# Altium PCB 5607.PcbDoc (part 4 of 6) (continued)
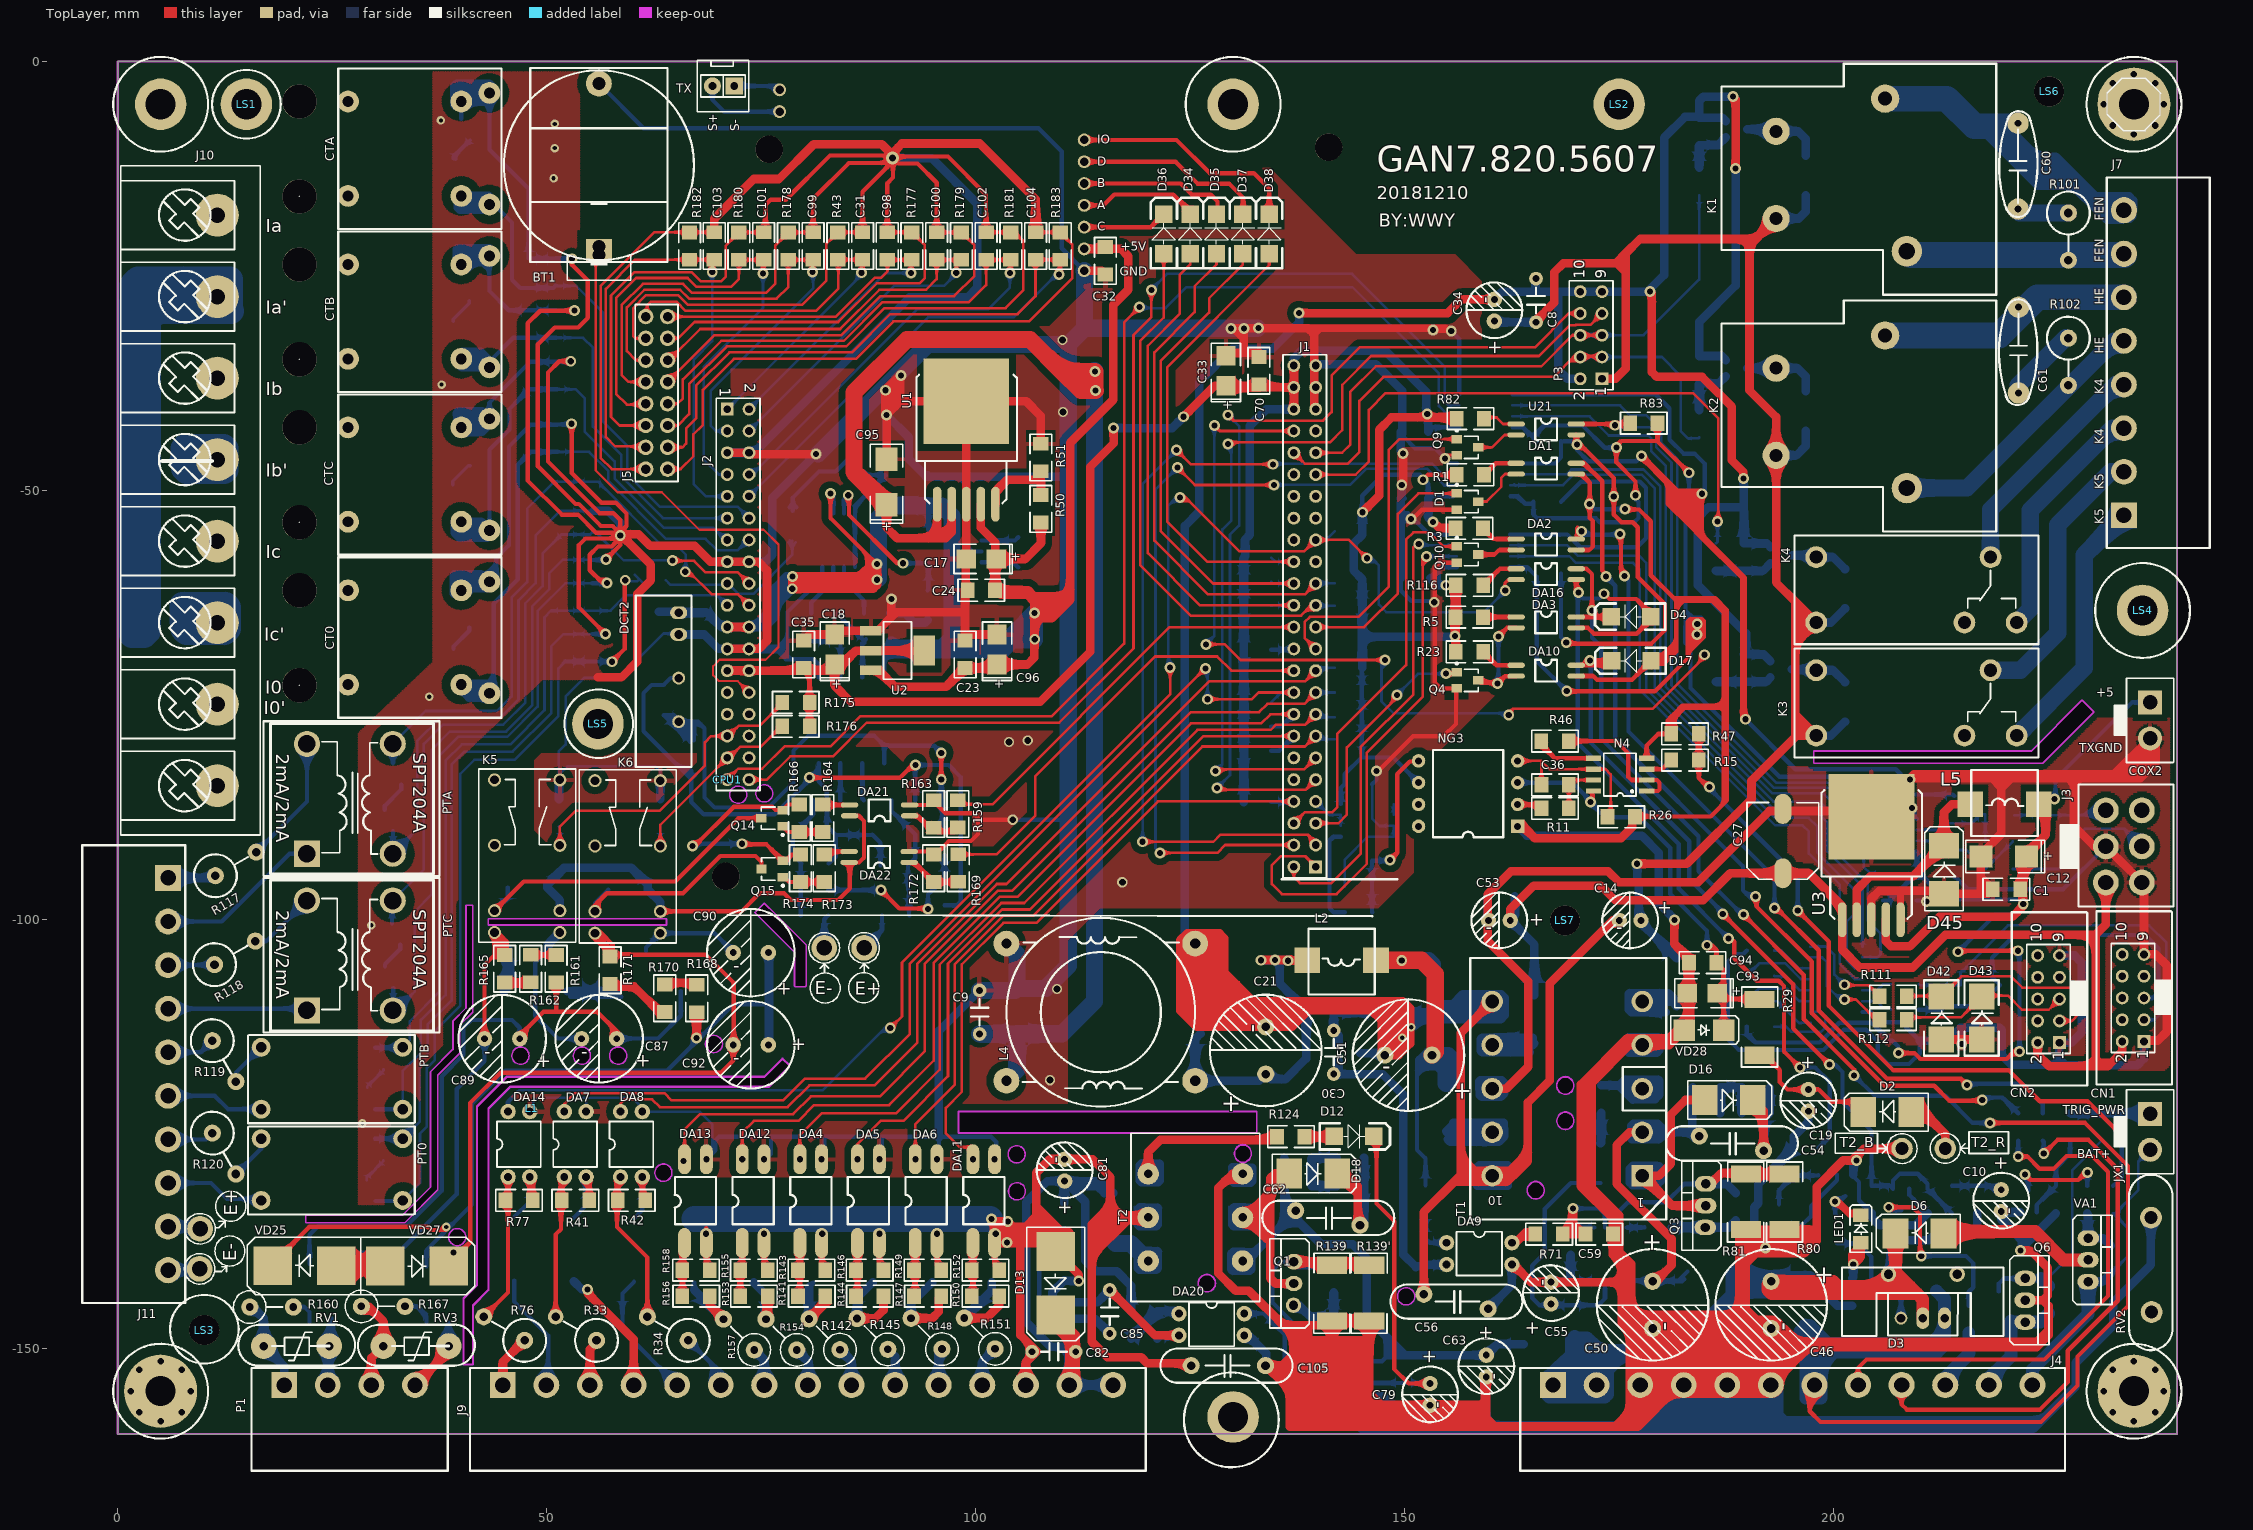
[diagram p0: TopLayer view]
## Nets (pads, with @x,y where several pads share a name; then routed paths per layer and width w, separated by ;. In a path a pad name is that pad's centre, name@x,y a point inside that pad or via, vN(x,y) a via of type N, cw(c..) or ccw(c..) an arc to the next point about the centre after c; other vN are vias at no path point) (continued)
NetVD21_1: VD21.1 VD22.1 | length 3.1
  BottomLayer w0.3: VD21.1@29.047,-130.398 29.047,-130.091 30.947,-128.191 VD22.1@30.947,-128.072
NetVD25_1: VD25.1 VD27.1 | length 6.9
  TopLayer w0.5: VD25.1@25.392,-140.183 VD25.1@25.442,-140.233
  TopLayer w2: VD25.1@25.442,-140.233 VD27.1@32.266,-140.233
OUT5V: C1.2 C12.1 C42.2 C45.2 C58.2 C67.2 C68.1 C72.2 COX2.1 L5.2 R83.2 R97.1 R98.2 R105.1 U3.4 U4.8 U7.8 U8.8 U11.16 U20.8 | length 349.6
  TopLayer w0.5: v1(168.885,-73.381) 168.885,-73.787 169.24,-73.431 179.146,-73.431 182.982,-69.596 182.982,-68.961 ; v1@176.911,-50.673 176.911,-48.959 174.663,-46.711 174.663,-44.818 175.235,-44.247 179.426,-44.247 179.476,-44.196 ; R83.2@179.476,-42.164 179.476,-44.297 v1(183.134,-47.955) ; 183.54,-67.92 183.566,-67.92 183.617,-67.869 183.642,-67.869 183.667,-67.894 184.099,-67.462 v1@184.099,-66.777 ; v1(207.543,-115.595) 209.423,-115.595 210.109,-116.281 220.167,-116.281 221.31,-115.138 221.412,-115.138 v1(221.666,-115.392) ; v1(214.503,-103.784) 214.427,-103.784 214.3,-103.657 v1(221.488,-103.657) ; v1@225.755,-86.258 v1(225.755,-85.954) ; 182.982,-68.961 182.982,-67.894 ; 182.982,-68.961 183.515,-68.428 ; 182.982,-67.894 182.982,-66.904 ; 182.982,-67.894 183.286,-67.589 ; 182.982,-66.904 182.982,-66.675 ; 182.982,-66.904 183.286,-66.904 ; 182.982,-66.675 182.982,-65.303 183.286,-64.999 ; 182.982,-66.675 183.286,-66.37 ; 183.286,-67.589 183.286,-68.199 183.515,-68.428 ; 183.286,-67.589 183.286,-66.904 ; 183.286,-67.589 183.388,-67.488 ; 183.286,-66.904 183.388,-66.904 ; 183.286,-66.904 183.286,-66.37 ; 183.286,-66.37 183.388,-66.269 ; 183.286,-66.37 183.286,-64.999 ; 183.286,-64.999 184.633,-64.999 184.861,-65.227 184.861,-66.015 ; 183.388,-67.488 183.388,-66.904 ; 183.388,-67.488 v1@183.972,-66.904 ; 183.388,-66.904 v1@183.972,-66.904 ; 183.388,-66.904 183.388,-66.269 ; 183.388,-66.269 v1@184.074,-65.583 ; 183.515,-68.428 184.861,-67.081 184.861,-66.015 ; v1@183.972,-66.904 v1(184.074,-66.802) ; v1(184.074,-66.802) v1@184.074,-65.583 ; v1(184.074,-66.802) v1@184.099,-66.777 ; v1@184.074,-65.583 v1(184.099,-65.557) v1@184.099,-66.777 ; v1@184.099,-66.777 184.861,-66.015
  TopLayer w1: U3.4@206.092,-100.051 206.092,-102.562 206.68,-103.149 208.89,-103.149 212.319,-99.72 220.828,-99.72 222.047,-98.501 222.047,-92.812 224.714,-90.145 224.714,-87.391 L5.2@223.911,-86.589
  BottomLayer w0.5: U7.8@162.282,-58.953 164.287,-58.953 C58.2@165.024,-59.69 165.379,-60.045 165.379,-69.875 v1(168.885,-73.381) ; U8.8@162.333,-50.673 163.17,-50.673 164.059,-51.562 164.795,-51.562 C67.2@165.024,-51.333 165.024,-52.832 165.456,-53.264 172.288,-53.264 172.745,-53.721 176.733,-53.721 177.241,-53.213 177.241,-51.338 v1@176.877,-50.974 ; U20.8@162.561,-42.647 163.754,-42.647 C42.2@165.024,-43.917 ; C42.2@165.024,-44.272 C42.2@165.024,-43.917 ; C42.2@165.38,-44.272 C42.2@165.024,-43.917 ; v1@174.701,-44.78 174.447,-45.034 173.33,-45.034 170.739,-42.443 166.268,-42.443 165.024,-43.688 C42.2@165.024,-43.917 ; v1(183.134,-47.955) 183.134,-49.809 182.728,-50.216 182.728,-64.008 ; 183.464,-67.208 183.667,-67.208 v1(184.074,-66.802) ; C68.1@189.865,-112.497 189.865,-113.36 190.856,-114.351 198.374,-114.351 200.66,-112.065 U11.16@203.36,-112.065 204.445,-112.065 206.527,-114.148 C72.2@206.832,-114.148 207.543,-114.859 v1(207.543,-115.595) ; R105.1@205.791,-97.815 206.477,-97.815 C45.2@209.677,-94.615 ; R98.2@214.046,-85.624 213.868,-85.446 R97.1@207.035,-85.446 ; v1(214.503,-103.784) 218.846,-99.441 221.183,-99.441 222.098,-98.527 v1(222.098,-98.222) 221.564,-97.688 213.055,-97.688 209.982,-94.615 C45.2@209.677,-94.615 ; v1(221.488,-103.657) v1@221.844,-103.657 ; v1(221.666,-115.392) 221.666,-103.835 v1@221.844,-103.657 ; v1@221.945,-103.556 v1@221.844,-103.657 ; v1(225.755,-85.954) 225.857,-85.852 225.857,-83.642 234.789,-74.71 COX2.1@236.88,-74.71 ; 182.728,-66.878 182.804,-66.802 183.032,-66.802 ; 182.728,-66.878 182.728,-66.116 ; 182.728,-66.878 183.172,-67.323 ; 182.728,-66.116 182.905,-66.116 183.261,-66.472 ; 182.728,-66.116 182.728,-65.837 ; 182.728,-65.837 182.702,-65.862 182.702,-67.767 182.905,-67.97 ; 182.728,-65.837 182.728,-65.456 ; 182.728,-65.456 183.261,-65.989 ; 182.728,-65.456 182.728,-64.999 ; 182.728,-64.999 183.286,-65.557 v1@183.464,-65.557 ; 182.728,-64.999 183.439,-64.999 ; 182.728,-64.999 182.728,-64.287 ; 182.728,-64.287 183.439,-64.999 ; 182.728,-64.287 182.728,-64.008 ; 182.728,-64.008 183.566,-64.846 184.531,-64.846 184.556,-64.872 184.556,-67.259 183.794,-68.021 ; 182.905,-67.97 182.905,-67.589 183.172,-67.323 ; 182.905,-67.97 183.325,-68.389 ; 183.032,-66.802 183.032,-66.7 183.261,-66.472 ; 183.032,-66.802 v1(184.074,-66.802) ; 183.172,-67.323 183.325,-67.475 183.325,-67.767 ; 183.261,-66.472 183.261,-65.989 ; 183.261,-65.989 183.464,-66.192 ; 183.325,-68.453 183.363,-68.453 183.769,-68.047 ; 183.325,-68.453 183.325,-68.389 ; 183.325,-68.453 183.325,-73.038 193.675,-83.388 205.41,-83.388 207.035,-85.014 R97.1@207.035,-85.446 ; 183.325,-68.389 183.325,-68.047 ; 183.325,-68.047 183.769,-68.047 ; 183.325,-68.047 183.325,-67.767 ; 183.325,-67.767 v1@183.794,-67.297 ; 183.439,-64.999 183.464,-65.024 v1@183.464,-65.557 ; 183.439,-64.999 183.49,-64.999 v1@184.048,-65.557 ; 183.464,-66.192 v1@183.756,-66.484 ; 183.464,-66.192 v1@183.464,-65.557 ; v1@183.464,-65.557 v1@184.048,-65.557 ; v1@183.756,-66.484 183.756,-66.205 183.794,-66.167 183.998,-66.167 v1@184.074,-66.091 ; v1@183.756,-66.484 v1(184.074,-66.802) ; 183.769,-68.047 183.794,-68.021 ; 183.794,-68.021 v1@183.794,-67.297 ; v1@183.794,-67.297 184.074,-67.018 v1(184.074,-66.802) ; v1@184.048,-65.557 v1(184.099,-65.557) ; v1@184.048,-65.557 v1@184.074,-65.583 ; v1(184.074,-66.802) v1@184.074,-66.091 ; v1@184.074,-66.091 184.099,-66.065 v1(184.099,-65.557) ; v1@184.074,-66.091 v1@184.074,-65.583 ; v1@184.074,-65.583 v1(184.099,-65.557) ; R97.1@207.035,-85.446 207.035,-90.983 208.178,-92.126 U4.8@209.704,-92.126 209.704,-94.589 C45.2@209.677,-94.615
  other v1: 176.911,-50.571 174.701,-45.009
PDA_RSTA: J2.27
PGND: C10.2 C11.1 C19.2 C29.1 C46.2 C50.2 C55.2 C56.1 C57.1 C59.1 C63.2 C79.2 C80.1 C83.1 C84.1 C93.2 C94.1 C105.1 D17.1 DA1.3 DA2.3 DA9.3 DA10.3 DA20.3 J4.3 J4.4 J4.5 J4.6 N4.4 NG3.1 pad.1 Q6.2 Q11.2 Q12.2 Q13.2 R10.2 R13.2 R22.1 R24.1 R26.1 R47.1 R80.1 R81.1 R139'.1 R139.1 RV2.2 T1.4 T2.3 U6.8 U10.8 VD28.1 | length 1237.9
  TopLayer w0.5: DA10.3@169.997,-71.653 171.983,-71.653 172.415,-72.085 176.493,-72.085 D17.1@178.728,-69.85 ; DA2.3@169.997,-56.947 171.526,-56.947 171.933,-56.54 171.933,-53.569 171.577,-53.213 v1@171.577,-51.587 ; DA1.3@169.997,-48.108 170.586,-48.108 171.577,-49.098 v1@171.577,-51.587 ; v1(171.526,-51.587) v1@171.577,-51.587 ; 175.285,-142.291 175.616,-142.291 175.793,-142.113 ; v1(175.692,-52.197) 175.844,-52.045 176.022,-52.222 177.317,-52.222 178.689,-53.594 178.689,-59.893 181.381,-62.586 ; R26.1@176.835,-88.062 176.885,-88.011 185.674,-88.011 187.198,-86.487 ; N4.4@178.208,-81.229 178.208,-79.729 179.553,-78.384 R47.1@181.077,-78.384 ; R47.1@181.432,-77.572 181.432,-76.556 ; 181.635,-62.865 181.661,-62.865 ; 187.198,-74.447 187.198,-74.498 ; D17.1@178.728,-69.85 D17.1@179.426,-69.85 ; D17.1@178.728,-69.85 179.325,-69.253 180.022,-69.253 ; D17.1@178.728,-69.85 179.084,-70.206 180.238,-70.206 181.661,-68.783 181.661,-68.123 ; D17.1@179.426,-69.85 180.022,-69.253 ; D17.1@179.426,-69.85 179.934,-69.85 181.661,-68.123 ; 180.022,-69.253 181.661,-67.615 ; R47.1@181.077,-78.384 180.696,-78.003 180.696,-76.759 181.077,-76.378 ; R47.1@181.077,-78.384 181.077,-76.911 ; 181.077,-76.911 181.077,-76.378 ; 181.077,-76.911 181.432,-76.556 ; 181.077,-76.378 181.432,-76.022 ; 181.381,-62.586 186.207,-62.586 187.579,-63.957 187.579,-86.106 187.198,-86.487 ; 181.381,-62.586 181.661,-62.865 ; 181.432,-76.556 182.626,-75.362 186.842,-75.362 ; 181.432,-76.556 181.432,-76.022 ; 181.432,-76.022 182.347,-75.108 186.588,-75.108 ; 181.661,-68.123 181.661,-67.615 ; 181.661,-67.615 181.661,-63.729 ; 181.661,-63.729 182.423,-62.967 182.423,-62.865 ; 181.661,-63.729 181.661,-62.865 ; 181.661,-62.865 182.423,-62.865 ; 182.423,-62.865 185.852,-62.865 187.198,-64.211 187.198,-74.498 ; 186.588,-75.108 187.198,-74.498 ; 186.588,-75.108 187.198,-75.108 ; 186.588,-75.108 186.842,-75.362 ; 186.842,-75.362 187.198,-75.717 ; 186.842,-75.362 187.096,-75.362 187.198,-75.463 ; 187.198,-86.487 187.198,-75.717 ; 187.198,-75.717 187.198,-75.463 ; 187.198,-75.463 187.198,-75.108 ; 187.198,-75.108 187.198,-74.498
  TopLayer w1: T2.3@131.103,-129.667 129.921,-129.667 128.295,-131.293 128.295,-141.275 130.302,-143.281 131.826,-143.281 135.865,-147.32 ; 135.788,-151.943 137.008,-150.724 137.008,-148.463 ; 136.169,-153.772 135.992,-153.594 135.992,-153.048 ; 136.754,-152.908 136.703,-152.857 136.601,-152.857 ; 137.135,-154.305 136.601,-153.772 136.601,-153.048 ; 137.338,-152.146 137.211,-152.019 136.5,-152.019 ; 137.871,-153.01 137.833,-153.048 136.601,-153.048 ; 142.062,-154.991 141.529,-154.457 R139.1@141.529,-146.801 ; 145.644,-156.515 146.24,-155.918 146.596,-155.918 ; 146.025,-156.515 146.075,-156.566 147.244,-156.566 ; C79.2@152.984,-156.87 152.984,-158.572 152.933,-158.623 153.391,-159.08 174.6,-159.08 176.264,-157.416 ; 160.376,-158.953 160.35,-158.953 159.512,-158.115 C63.2@159.512,-153.34 159.334,-153.518 159.334,-156.159 158.928,-156.566 147.244,-156.566 ; DA9.3@162.535,-140.106 164.719,-142.291 C55.2@167.056,-142.291 175.285,-142.291 ; NG3.1@163.17,-89.154 163.779,-89.154 165.151,-90.526 175.235,-90.526 176.505,-89.256 176.505,-88.392 R26.1@176.835,-88.062 ; 171.12,-131.648 171.12,-119.736 171.806,-119.05 ; J4.3@176.962,-154.864 176.936,-154.889 176.936,-156.743 ; 177.292,-147.422 176.403,-146.533 176.403,-146.101 ; J4.3@177.444,-154.28 177.444,-153.949 177.444,-149.377 ; 177.673,-146.202 177.571,-146.202 177.47,-146.101 ; 177.749,-149.682 177.724,-149.657 177.444,-149.377 ; J4.3@178.587,-154.838 178.587,-155.092 176.936,-156.743 ; 180.543,-154.432 176.987,-157.988 176.962,-157.988 ; v1(181.432,-100.076) 181.432,-102.87 183.134,-104.572 C94.1@183.134,-105.054 183.134,-112.355 VD28.1@182.587,-112.903 VD28.1@182.561,-112.928 ; J4.4@181.559,-154.737 177.165,-159.131 175.819,-159.131 ; 186.03,-147.689 186.461,-147.689 188.05,-146.101 ; 187.884,-147.689 188.976,-146.597 188.976,-146.431 ; 189.23,-146.685 188.976,-146.431 ; 190.805,-147.689 190.805,-146.99 ; J4.6@192.684,-154.28 194.539,-152.425 ; R80.1@194.539,-136.881 194.92,-137.262 ; v1(202.667,-128.092) v1@202.159,-128.092 ; pad.1@207.975,-126.721 203.53,-126.721 v1@202.159,-128.092 ; v1(221.767,-138.608) 222.936,-138.608 224.942,-140.614 224.942,-143.84 224.384,-144.399 ; Q6.2@222.311,-144.399 224.384,-144.399 ; 134.81,-153.048 135.992,-153.048 ; 134.81,-153.048 C105.1@133.782,-152.019 136.5,-152.019 ; 134.81,-153.048 136.627,-154.864 ; 135.865,-147.32 137.008,-147.32 ; 135.865,-147.32 137.008,-148.463 ; 135.992,-153.048 135.992,-152.857 ; 135.992,-153.048 136.601,-153.048 ; 135.992,-152.857 135.992,-152.781 ; 135.992,-152.857 135.357,-152.857 135.28,-152.781 135.992,-152.781 ; 135.992,-152.857 136.601,-152.857 ; 135.992,-152.781 136.601,-152.781 ; 136.5,-152.019 136.931,-152.451 136.601,-152.781 ; 136.601,-153.048 136.601,-152.857 ; 136.601,-152.857 136.601,-152.781 ; 136.627,-154.864 136.627,-159.131 175.819,-159.131 ; 136.627,-154.864 137.211,-155.448 145.618,-155.448 145.872,-155.194 ; 137.008,-148.463 137.617,-149.073 137.617,-150.495 137.693,-150.419 137.693,-147.32 ; 137.008,-148.463 137.008,-147.32 ; 137.008,-147.32 137.693,-147.32 ; 137.693,-147.32 138.354,-147.32 ; 138.354,-147.32 138.354,-149.377 138.582,-149.606 138.76,-149.428 138.76,-147.32 ; 138.354,-147.32 138.76,-147.32 ; 138.76,-147.32 141.01,-147.32 R139.1@141.529,-146.801 ; R139.1@141.529,-146.801 R139'.1@145.872,-146.801 145.872,-155.194 ; 145.872,-155.194 146.596,-155.918 ; 146.596,-155.918 147.244,-156.566 ; 171.806,-119.05 171.806,-131.318 174.981,-134.493 174.981,-138.735 176.403,-140.157 176.403,-145.034 ; 171.806,-119.05 176.2,-114.656 T1.4@177.698,-114.656 180.834,-114.656 VD28.1@182.561,-112.928 ; 175.285,-142.291 175.285,-147.218 176.264,-148.197 ; 175.285,-142.291 175.285,-140.106 ; 175.285,-140.106 174.269,-139.09 C59.1@174.269,-136.677 174.269,-134.874 170.523,-131.127 170.536,-131.115 170.536,-119.253 175.946,-113.843 180.848,-113.843 181.813,-112.878 181.813,-112.928 VD28.1@182.561,-112.928 ; 175.285,-140.106 175.793,-140.614 175.793,-142.113 175.793,-144.678 ; 175.793,-146.101 176.403,-146.101 ; 175.793,-146.101 175.793,-147.218 176.264,-147.689 ; 175.793,-146.101 175.793,-144.678 ; 175.793,-144.678 176.047,-144.678 176.403,-145.034 ; 175.819,-159.131 176.962,-157.988 ; 176.264,-157.416 176.264,-148.197 ; 176.264,-157.416 176.936,-156.743 ; 176.264,-148.197 176.264,-147.689 ; 176.264,-148.197 177.444,-149.377 ; 176.264,-147.689 177.724,-147.689 C50.2@178.892,-147.689 177.724,-148.858 177.444,-149.137 177.444,-149.377 ; 176.403,-146.101 176.403,-145.034 ; 176.403,-146.101 177.47,-146.101 ; 176.403,-145.034 177.47,-146.101 ; 176.936,-156.743 176.936,-157.963 176.962,-157.988 ; 177.47,-146.101 188.05,-146.101 ; 188.05,-146.101 188.646,-146.101 188.976,-146.431 ; 188.05,-146.101 188.976,-145.175 ; 188.976,-146.431 188.976,-146.38 ; 188.976,-146.38 189.586,-145.771 ; 188.976,-146.38 188.976,-145.175 ; 188.976,-145.175 189.586,-144.565 ; 188.976,-145.175 188.976,-143.955 ; 188.976,-143.955 188.976,-138.1 ; 188.976,-143.955 189.586,-144.565 ; 188.976,-138.1 188.989,-138.087 189.586,-138.087 ; 188.976,-138.1 188.976,-137.262 ; 188.976,-137.262 188.976,-136.946 R81.1@189.763,-136.158 R81.1@191.211,-136.158 ; 188.976,-137.262 192.049,-137.262 ; 189.586,-145.771 189.586,-144.565 ; 189.586,-145.771 190.805,-146.99 ; 189.586,-144.565 189.586,-140.259 ; 189.586,-144.565 189.769,-144.749 ; 189.586,-140.259 189.586,-139.243 ; 189.586,-140.259 189.769,-140.075 ; 189.586,-139.243 189.916,-138.913 190.271,-138.913 ; 189.586,-139.243 189.586,-138.087 ; 189.586,-138.087 v1@192.049,-138.087 ; 189.769,-144.749 189.769,-140.075 ; 189.769,-144.749 189.769,-145.421 191.338,-146.99 190.805,-146.99 ; 189.769,-140.075 189.769,-139.415 190.271,-138.913 ; 189.769,-140.075 190.932,-138.913 ; 190.271,-138.913 190.932,-138.913 ; 190.932,-138.913 191.516,-138.328 v1(192.049,-138.328) ; 190.932,-138.913 196.596,-138.913 197.18,-138.328 ; R81.1@191.211,-136.158 191.832,-136.779 192.049,-136.779 ; R81.1@191.211,-136.158 191.795,-136.158 ; 191.795,-136.158 192.049,-136.412 192.049,-136.779 ; 191.795,-136.158 R80.1@193.331,-136.158 ; v1(192.049,-138.328) 197.18,-138.328 ; v1(192.049,-138.328) v1@192.049,-138.087 ; v1@192.049,-138.087 192.049,-137.262 ; v1@192.049,-138.087 197.421,-138.087 ; 192.049,-137.262 192.049,-136.779 ; 192.049,-137.262 194.92,-137.262 ; 192.049,-136.779 192.71,-136.779 R80.1@193.331,-136.158 ; C46.2@192.71,-147.689 192.71,-147.74 194.195,-149.225 ; C46.2@192.71,-147.689 194.246,-149.225 ; C46.2@192.71,-147.689 192.01,-146.99 193.523,-146.99 194.754,-148.222 ; C46.2@192.71,-147.689 193.511,-147.689 194.361,-148.539 194.437,-148.539 194.754,-148.222 ; R80.1@193.331,-136.158 R80.1@194.285,-136.158 R80.1@194.502,-136.158 ; 193.827,-149.877 193.176,-149.225 194.195,-149.225 ; 193.827,-149.877 192.896,-149.877 192.684,-150.089 193.675,-151.079 194.107,-151.079 ; 193.827,-149.877 194.412,-149.877 ; 194.107,-151.079 194.67,-150.516 194.67,-150.135 ; 194.107,-151.079 195.885,-151.079 ; 194.107,-151.079 194.107,-151.841 194.208,-151.943 194.208,-151.511 194.539,-151.181 194.539,-152.425 ; 194.195,-149.225 194.67,-149.7 194.67,-149.877 ; 194.195,-149.225 194.246,-149.225 ; 194.246,-149.225 194.897,-149.877 ; 194.246,-149.225 194.539,-149.225 ; 194.412,-149.877 194.67,-150.135 ; 194.412,-149.877 194.67,-149.877 ; R80.1@194.502,-136.158 195.605,-137.262 ; R80.1@194.502,-136.158 197.271,-136.158 ; 194.539,-152.425 195.885,-151.079 ; 194.539,-149.225 195.758,-149.225 ; 194.539,-149.225 194.754,-149.009 194.754,-148.222 ; 194.67,-150.135 195.246,-150.711 196.253,-150.711 ; 194.67,-150.135 194.67,-149.877 ; 194.67,-149.877 194.897,-149.877 ; 194.754,-148.222 195.758,-149.225 ; 194.897,-149.877 197.087,-149.877 ; 194.92,-137.262 195.605,-137.262 ; 195.605,-137.262 196.19,-136.677 197.231,-136.677 197.485,-136.931 ; 195.605,-137.262 197.155,-137.262 ; 195.758,-149.225 223.723,-149.225 225.044,-147.904 ; 195.885,-151.079 196.253,-150.711 ; 196.253,-150.711 197.087,-149.877 ; 197.087,-149.877 223.656,-149.877 225.044,-148.488 225.044,-147.904 ; 197.155,-137.262 197.485,-136.931 ; 197.155,-137.262 197.714,-137.262 198.044,-136.931 ; 197.18,-138.328 197.421,-138.087 ; 197.271,-136.158 198.044,-136.931 ; 197.271,-136.158 197.982,-136.158 198.044,-136.22 ; 197.421,-138.087 198.044,-137.465 198.044,-136.931 ; 197.485,-136.931 198.044,-136.931 ; 198.044,-136.931 198.044,-136.22 ; 198.044,-136.22 198.044,-131.166 201.117,-128.092 v1@202.159,-128.092 ; 224.384,-144.399 225.044,-145.059 225.044,-147.904
  TopLayer w3: J4.3@177.444,-154.28 J4.4@182.524,-154.28 J4.5@187.604,-154.28 J4.6@192.684,-154.28 192.684,-150.089 192.684,-147.715 C46.2@192.71,-147.689 190.805,-147.689 187.884,-147.689 186.461,-147.689 ; J4.3@177.444,-153.949 177.724,-153.67 177.724,-149.657 177.724,-148.858 177.724,-147.689 ; C50.2@178.892,-147.689 186.03,-147.689
  BottomLayer w0.5: C84.1@143.561,-157.963 144.678,-157.963 145.339,-157.302 145.339,-156.82 ; 148.006,-156.185 147.93,-156.108 146.761,-156.108 ; 150.089,-158.966 149.86,-158.737 C80.1@149.86,-156.972 C80.1@149.708,-156.82 ; C79.2@152.959,-156.591 C80.1@149.479,-156.591 ; C55.2@167.232,-142.114 U6.8@172.085,-142.114 ; v1(171.526,-51.587) 172.136,-52.197 v1(175.692,-52.197) ; Q11.2@202.296,-129.738 202.296,-129.982 202.946,-130.632 202.946,-132.766 C11.1@204.419,-134.239 ; Q13.2@208.824,-131.414 208.824,-132.141 R24.1@210.947,-134.264 ; 145.339,-156.82 C80.1@149.708,-156.82 ; 145.339,-156.82 145.339,-156.438 ; 145.339,-156.438 145.339,-155.574 U10.8@145.086,-155.321 146.761,-155.321 ; 145.339,-156.438 146.787,-156.438 ; 146.761,-156.108 146.761,-156.413 146.787,-156.438 ; 146.761,-156.108 146.761,-155.753 ; 146.761,-155.753 147.93,-155.753 147.993,-155.689 ; 146.761,-155.753 146.761,-155.321 ; 146.761,-155.321 147.625,-155.321 147.993,-155.689 ; 146.787,-156.438 148.742,-156.438 ; 147.993,-155.689 148.742,-156.438 ; 148.742,-156.438 149.326,-156.438 C80.1@149.479,-156.591 ; 148.742,-156.438 148.895,-156.591 C80.1@149.479,-156.591 ; C80.1@149.479,-156.591 C80.1@149.708,-156.82
  BottomLayer w1: T2.3@130.011,-129.972 T2.3@129.909,-129.87 ; T2.3@130.556,-128.905 129.909,-128.905 T2.3@129.909,-129.87 ; T2.3@131.128,-128.981 132.221,-128.981 132.221,-130.505 132.043,-130.683 130.087,-130.683 129.909,-130.505 T2.3@129.909,-129.87 ; DA20.3@131.49,-148.494 131.756,-148.494 133.858,-150.597 133.858,-151.943 C105.1@133.782,-152.019 ; T2.3@131.89,-128.981 132.195,-129.286 132.195,-129.845 132.068,-129.718 130.861,-129.718 130.708,-129.87 T2.3@129.909,-129.87 ; C84.1@143.561,-157.963 144.971,-159.373 154.014,-159.373 ; 144.678,-157.963 144.958,-157.963 145.961,-158.966 150.089,-158.966 153.606,-158.966 ; C79.2@152.959,-156.642 152.959,-158.318 153.606,-158.966 ; C63.2@159.512,-153.34 159.512,-158.966 ; C56.1@159.731,-145.401 162.503,-142.63 DA9.3@162.503,-140.239 ; NG3.1@163.17,-89.154 164.262,-90.246 177.622,-90.246 179.629,-92.253 179.629,-98.171 181.483,-100.025 v1(181.432,-100.076) ; C55.2@167.056,-142.291 C55.2@167.232,-142.114 ; C57.1@169.342,-139.116 169.342,-141.631 C29.1@169.469,-141.758 ; T1.4@177.698,-114.656 178.664,-114.656 179.553,-113.767 176.149,-113.767 175.997,-113.919 175.997,-115.392 176.149,-115.545 179.375,-115.545 179.654,-115.265 179.654,-113.894 ; C50.2@178.892,-147.689 C50.2@179.045,-147.842 ; v1(192.049,-138.328) v1@191.694,-138.328 ; 193.269,-158.775 193.65,-158.394 ; C19.2@197.053,-122.174 197.053,-123.596 195.351,-125.298 R13.2@195.351,-126.67 191.211,-130.81 191.211,-133.096 190.754,-133.553 190.754,-137.338 190.729,-137.363 v1@191.694,-138.328 ; R10.2@197.383,-137.769 192.253,-137.769 v1@191.694,-138.328 ; Q11.2@202.296,-129.738 202.296,-128.463 v1(202.667,-128.092) ; C11.1@204.419,-134.239 204.419,-134.696 205.359,-135.636 209.575,-135.636 R24.1@210.947,-134.264 ; Q12.2@221.757,-134.143 219.614,-134.143 C10.2@219.532,-134.061 219.532,-134.95 222.377,-137.795 ; v1(221.767,-138.608) 221.767,-138.404 222.377,-137.795 ; R22.1@225.908,-134.264 222.377,-137.795 ; RV2.2@236.982,-134.772 236.982,-140.259 232.588,-144.653 232.588,-147.32 228.219,-151.689 228.219,-154.432 224.257,-158.394 ; 153.606,-158.966 159.512,-158.966 ; 153.606,-158.966 154.014,-159.373 ; 154.014,-159.373 159.563,-159.373 ; 159.512,-158.966 175.362,-158.966 ; 159.512,-158.966 159.512,-159.322 159.563,-159.373 ; 159.563,-159.373 174.955,-159.373 ; 174.955,-159.373 175.565,-159.373 ; 174.955,-159.373 175.362,-158.966 ; 175.362,-158.966 175.813,-158.515 ; 175.362,-158.966 175.813,-158.966 ; 175.565,-159.373 176.466,-159.373 ; 175.565,-159.373 175.813,-159.125 175.813,-158.966 ; 175.813,-158.966 176.873,-158.966 ; 175.813,-158.966 175.813,-158.515 ; 175.813,-158.515 176.397,-157.931 ; 176.397,-157.931 176.524,-157.931 176.835,-158.242 177.292,-158.242 177.444,-158.394 ; 176.397,-157.931 177.444,-156.884 ; 176.466,-159.373 223.278,-159.373 224.257,-158.394 ; 176.466,-159.373 176.873,-158.966 ; 176.873,-158.966 177.444,-158.394 ; 177.444,-158.394 177.444,-156.884 ; 177.444,-156.884 J4.3@177.444,-154.28 ; J4.3@177.444,-154.28 177.14,-153.975 177.14,-153.365 J4.4@183.566,-153.365 ; J4.3@177.444,-154.28 J4.4@182.524,-154.28 J4.4@182.651,-154.28 ; J4.4@182.651,-154.28 J4.4@183.566,-153.365 ; J4.4@182.651,-154.28 J4.5@187.604,-154.28 J4.6@192.684,-154.28 ; J4.4@183.566,-153.365 189.242,-147.689 C46.2@192.71,-147.689 192.71,-149.327 ; J4.4@183.566,-153.365 191.77,-153.365 J4.6@192.684,-154.28 ; J4.6@192.684,-154.28 192.71,-154.254 192.71,-149.327 ; J4.6@192.684,-154.28 192.684,-156.743 193.65,-157.709 ; 192.71,-149.327 193.65,-150.266 193.65,-157.709 ; 193.65,-158.394 193.65,-157.709 ; 193.65,-158.394 194.335,-158.394 ; 193.65,-157.709 194.335,-158.394 ; 194.335,-158.394 224.257,-158.394
POW_PTA: J9.1 R76.1 | length 6.4
  TopLayer w1: J9.1@44.882,-154.28 44.882,-151.587 R76.1@47.498,-148.971
POW_PTB: J9.2 VD3.2 | length 13.9
  BottomLayer w0.5: VD3.2@46.202,-142.105 46.202,-144.551 50.165,-148.514 50.165,-154.076 J9.2@49.962,-154.28
PT0: J11.7 R120.1 | length 5.5
  BottomLayer w0.5: J11.7@5.867,-125.654 10.287,-125.654 R120.1@11.024,-124.917
PT0N: J11.8 PT0.3 | length 11.7
  BottomLayer w0.5: J11.8@5.867,-130.734 10.871,-130.734 12.725,-132.588 16.535,-132.588 PT0.3@16.713,-132.766
PTA: J11.1 R117.1 | length 5.6
  BottomLayer w1: J11.1@5.867,-95.174 11.125,-95.174 R117.1@11.379,-94.92
PTAN: J11.2 PTA.3 | length 19.5
  BottomLayer w0.5: J11.2@5.867,-100.254 12.116,-100.254 20.017,-92.353 PTA.3@22.055,-92.353
PTB: J11.5 R119.1 | length 5.7
  BottomLayer w0.5: J11.5@5.867,-115.494 9.677,-115.494 R119.1@11.024,-114.148
PTBN: J11.6 PTB.3 | length 11.5
  BottomLayer w0.5: J11.6@5.867,-120.574 11.303,-120.574 12.852,-122.123 PTB.3@16.713,-122.123
PTC: J11.3 R118.1 | length 5.4
  BottomLayer w0.5: J11.3@5.867,-105.334 11.227,-105.334 R118.1@11.278,-105.283
PTCN: J11.4 PTC.3 | length 16.3
  BottomLayer w0.5: J11.4@5.867,-110.414 21.853,-110.414 PTC.3@22.055,-110.615
PWR_STA_EXT: DA14.4 DA16.2 J1.31 R75.1 | length 179.7
  TopLayer w0.3: v1(90.043,-112.674) 91.415,-111.303 91.415,-105.029 122.657,-73.787 v1(122.657,-70.637) ; v1(123.825,-50.851) 124.181,-50.851 124.333,-50.698 130.755,-57.12 138.284,-57.12 J1.31@139.624,-55.78 143.486,-55.78 v1(145.618,-57.912) ; v1(161.722,-61.671) 161.671,-61.62 161.671,-60.833 162.098,-60.406 DA16.2@162.997,-60.406
  BottomLayer w0.3: 46.533,-120.218 46.838,-119.913 82.194,-119.913 89.433,-112.674 v1(90.043,-112.674) ; v1(122.657,-70.637) 122.453,-70.841 122.453,-51.791 123.825,-50.419 v1(123.825,-50.851) ; J1.31@139.624,-55.78 140.842,-55.78 R75.1@141.859,-54.762 ; v1(145.618,-57.912) 146.152,-57.912 146.99,-58.75 146.99,-63.322 147.853,-64.186 159.233,-64.186 161.519,-61.9 v1@161.722,-61.9
  BottomLayer w0.5: DA14.4@45.497,-122.256 45.497,-121.254 46.533,-120.218
PWRCLS_LOUT: DA3.2 DA10.2 Q4.3 | length 12.8
  TopLayer w0.5: Q4.3@158.578,-72.136 158.857,-72.415 160.934,-72.415 161.696,-71.653 DA10.2@162.997,-71.653 ; v1(160.934,-67.031) 161.935,-66.03 DA3.2@162.997,-66.03
  BottomLayer w0.5: v1(160.807,-72.492) 160.934,-72.365 v1(160.934,-67.031)
PWRCLSA: J1.5 Q4.1 | length 28.1
  TopLayer w0.3: J1.5@139.624,-88.8 142.264,-88.8 143.256,-87.808 143.256,-79.959 v1@149.022,-74.193 ; v1@154.813,-71.425 155.839,-71.425 Q4.1@156.078,-71.186
  BottomLayer w0.3: v1(149.098,-73.838) 151.536,-71.399 v1@154.813,-71.399
  other v1: 154.813,-71.349
REV1: J2.30
REV2: J2.32
REV3: J2.29
RRXD3: U8.6 U11.10 | length 89.1
  BottomLayer w0.3: U8.6@162.333,-48.133 168.875,-48.133 169.438,-47.57 177.83,-47.57 179.807,-49.546 179.807,-73.121 192.969,-86.284 198.323,-86.284 199.949,-87.909 199.949,-91.821 203.96,-95.832 203.96,-100.15 205.461,-101.651 205.461,-104.089 205.105,-104.445 U11.10@203.36,-104.445
RRXD4: U7.6 U11.11 | length 78.1
  BottomLayer w0.3: U7.6@162.282,-56.413 168.961,-56.413 170.155,-57.607 177.292,-57.607 178.156,-58.471 178.156,-73.167 193.152,-88.163 197.079,-88.163 198.12,-89.205 198.12,-92.253 202.54,-96.672 202.54,-99.238 201.524,-100.254 201.524,-104.75 202.489,-105.715 U11.11@203.36,-105.715
RXD485: R105.2 U4.1 U20.7 | length 84.6
  BottomLayer w0.3: U20.7@162.561,-41.377 171.552,-41.377 173.787,-43.612 178.41,-43.612 178.714,-43.917 178.714,-45.441 180.442,-47.168 180.442,-72.907 192.822,-85.288 198.75,-85.288 200.762,-87.3 200.762,-91.288 201.6,-92.126 U4.1@203.504,-92.126 203.504,-93.903 204.216,-94.615 R105.2@205.791,-94.615
RXD2323: R112.1 U11.7 | length 12.8
  TopLayer w0.3: v1@201.244,-109.601 201.498,-109.347 202.591,-109.347 R112.1@205.334,-112.09
  BottomLayer w0.3: U11.7@197.3,-104.445 198.653,-104.445 199.194,-104.985 199.194,-107.779 v1@201.003,-109.588
  other v1: 201.244,-109.347
RXD2324: R109.1 U11.14 | length 3.8
  BottomLayer w0.3: U11.14@203.36,-109.525 204.978,-109.525 205.689,-110.236 206.426,-110.236 R109.1@206.731,-110.541
SHD-: D4.1 DA3.3 DA16.3 R9.2 | length 102.2
  TopLayer w0.5: DA3.3@169.997,-66.03 171.364,-66.03 172.034,-66.7 177.063,-66.7 178.678,-65.086 D4.1@178.678,-64.719 178.678,-64.352 176.987,-62.662 173.863,-62.662 v1(173.253,-62.052) ; v1@169.997,-61.59 DA16.3@169.997,-60.406 ; v1(187.757,-102.235) 187.808,-102.184 187.808,-102.235 188.036,-102.235 188.417,-102.616 188.417,-104.547 191.033,-107.163 193.599,-107.163 194.208,-107.772 194.208,-115.418 v1(196.063,-117.272) v1@195.758,-117.272
  BottomLayer w0.5: v1(173.253,-62.052) 172.695,-62.611 170.79,-62.611 170.18,-62.001 170.18,-79.451 181.94,-91.211 181.94,-96.418 v1(187.757,-102.235) ; v1@195.758,-117.272 v1(196.063,-117.272) 197.841,-117.272 199.542,-118.974 199.542,-125.298 R9.2@198.196,-126.645
  other v1: 170.256,-61.925
SPI1_MOSI: J1.32
TTXD3: U8.7 U11.9 | length 84.4
  BottomLayer w0.3: U8.7@162.333,-49.403 168.453,-49.403 169.687,-48.17 177.582,-48.17 179.172,-49.759 179.172,-73.335 193.061,-87.224 197.79,-87.224 199.212,-88.646 199.212,-92.017 203.36,-96.164 U11.9@203.36,-103.175 ; U8.7@162.772,-49.323 U8.7@162.929,-49.479
TTXD4: U7.7 U11.12 | length 76.6
  BottomLayer w0.3: U7.7@162.282,-57.683 169.189,-57.683 169.951,-58.445 176.632,-58.445 177.419,-59.233 177.419,-73.279 193.192,-89.052 196.367,-89.052 197.104,-89.789 197.104,-92.354 200.711,-95.961 200.711,-105.181 202.514,-106.985 U11.12@203.36,-106.985